# KiCad board jetson-nano-baseboard.kicad_pcb (continued)
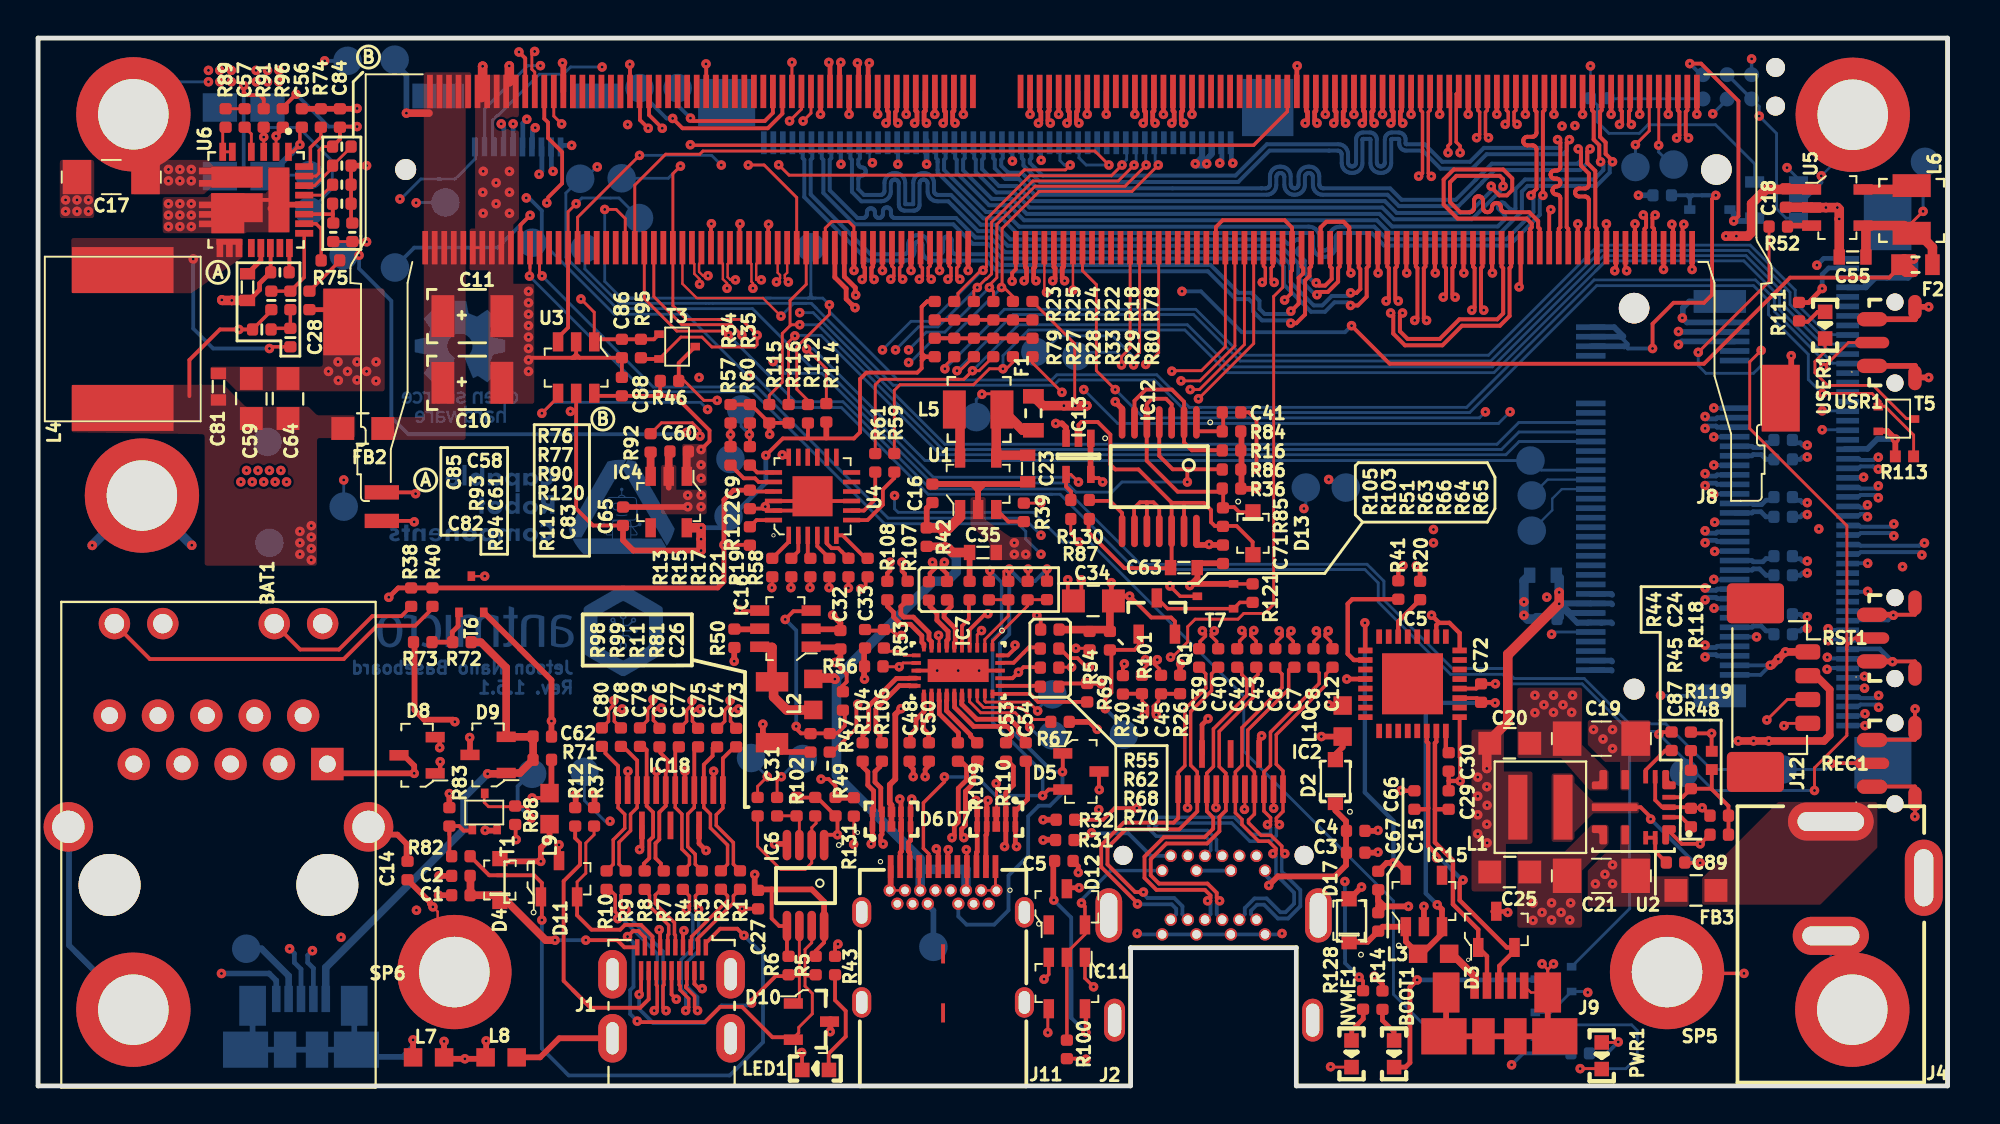
[diagram p0: board, top side]
## Routing (per net, layer and track width the routed paths; a pad name or vN(x,y) marks a point on that pad's centre or on a via; arc(x,y) is an arc through that point) (continued)
/CSI/CSI_C_D0_P: length 55.7
  Top w0.21: v1(75.26,40.72) 75.4,40.86 75.4,42.93 75.32,43.01 75.32,44
  In5_3V3_SYS_SIGNAL.Cu w0.128: v1(75.26,40.72) 75.44,40.9 75.44,41.18 75.67,41.41 76.33,41.41 77.07,40.68 77.07,36.78 78.75,35.1 78.75,31.84 78.74,31.76 78.72,31.69 78.67,31.62 78.62,31.56 78.55,31.52 78.47,31.49 78.39,31.48 77.82,31.48 77.79,31.48 77.77,31.47 77.74,31.46 77.72,31.44 77.71,31.41 77.7,31.39 77.69,31.36 77.7,31.33 77.71,31.3 77.72,31.28 77.74,31.26 77.77,31.24 77.79,31.23 77.82,31.23 79.05,31.23 79.13,31.22 79.21,31.19 79.28,31.15 79.33,31.09 79.38,31.03 79.4,30.95 79.41,30.87 79.41,30.83 79.4,30.75 79.38,30.67 79.33,30.6 79.28,30.55 79.21,30.5 79.13,30.48 79.05,30.47 77.82,30.47 77.79,30.46 77.77,30.45 77.74,30.44 77.72,30.42 77.71,30.39 77.7,30.37 77.69,30.34 77.7,30.31 77.71,30.28 77.72,30.26 77.74,30.24 77.77,30.22 77.79,30.21 77.82,30.21 79.05,30.21 79.13,30.2 79.21,30.18 79.28,30.13 79.33,30.08 79.38,30.01 79.4,29.93 79.41,29.85 79.41,29.81 79.4,29.73 79.38,29.65 79.33,29.58 79.28,29.53 79.21,29.48 79.13,29.46 79.05,29.45 77.82,29.45 77.79,29.45 77.77,29.44 77.74,29.42 77.72,29.4 77.71,29.38 77.7,29.35 77.69,29.32 77.7,29.29 77.71,29.27 77.72,29.24 77.74,29.22 77.77,29.21 77.79,29.2 77.82,29.19 79.05,29.19 79.13,29.18 79.21,29.16 79.28,29.11 79.33,29.06 79.38,28.99 79.4,28.91 79.41,28.83 79.41,28.79 79.4,28.71 79.38,28.63 79.33,28.57 79.28,28.51 79.21,28.47 79.13,28.44 79.05,28.43 77.82,28.43 77.79,28.43 77.77,28.42 77.74,28.4 77.72,28.38 77.71,28.36 77.7,28.33 77.69,28.3 77.7,28.27 77.71,28.25 77.72,28.22 77.74,28.2 77.77,28.19 77.79,28.18 77.82,28.17 79.05,28.17 79.13,28.17 79.21,28.14 79.28,28.1 79.33,28.04 79.38,27.97 79.4,27.9 79.41,27.82 79.41,27.77 79.4,27.69 79.38,27.62 79.33,27.55 79.28,27.49 79.21,27.45 79.13,27.42 79.05,27.41 77.82,27.41 77.79,27.41 77.77,27.4 77.74,27.38 77.72,27.36 77.71,27.34 77.7,27.31 77.69,27.28 77.7,27.26 77.71,27.23 77.72,27.2 77.74,27.18 77.77,27.17 77.79,27.16 77.82,27.16 79.45,27.16 79.53,27.15 79.61,27.12 79.68,27.08 79.73,27.02 79.78,26.95 79.8,26.88 79.81,26.8 79.81,26.75 79.8,26.67 79.78,26.6 79.73,26.53 79.68,26.47 79.61,26.43 79.53,26.4 79.45,26.39 78.88,26.39 78.85,26.39 78.83,26.38 78.8,26.37 78.78,26.35 78.77,26.32 78.76,26.3 78.75,26.27 78.75,25.46 80.29,23.93 84.56,23.93 86.97,21.52 91.24,21.52 92.04,22.31 93.73,22.31 v1(93.92,22.5)
  Bottom w0.21: 94.84,22.44 93.98,22.44 v1(93.92,22.5)
/CSI/CSI_C_D1_N: length 55.7
  Top w0.21: 72.88,40.15 72.74,40.29 72.74,42.93 72.82,43.01 72.82,44
  In5_3V3_SYS_SIGNAL.Cu w0.128: 72.88,40.15 72.7,40.33 72.7,40.4 72.89,40.59 74.09,40.59 76.06,38.62 76.06,36.4 76.43,36.03 76.43,34.8 76.43,34.77 76.42,34.73 76.4,34.71 76.38,34.68 76.35,34.67 76.32,34.65 76.28,34.65 76,34.65 75.92,34.64 75.84,34.61 75.77,34.57 75.71,34.51 75.66,34.44 75.63,34.36 75.62,34.27 75.62,34.23 75.63,34.14 75.66,34.06 75.71,33.99 75.77,33.93 75.84,33.88 75.92,33.86 76,33.85 76.28,33.85 76.32,33.84 76.35,33.83 76.38,33.81 76.4,33.79 76.42,33.76 76.43,33.73 76.43,33.7 76.43,33.67 76.42,33.63 76.4,33.61 76.38,33.58 76.35,33.57 76.32,33.55 76.28,33.55 76,33.55 75.92,33.54 75.84,33.51 75.77,33.47 75.71,33.41 75.66,33.34 75.63,33.26 75.62,33.17 75.62,33.13 75.63,33.04 75.66,32.96 75.71,32.89 75.77,32.83 75.84,32.78 75.92,32.76 76,32.75 76.28,32.75 76.32,32.74 76.35,32.73 76.38,32.71 76.4,32.69 76.42,32.66 76.43,32.63 76.43,32.6 76.43,32.57 76.42,32.53 76.4,32.51 76.38,32.48 76.35,32.47 76.32,32.45 76.28,32.45 76,32.45 75.92,32.44 75.84,32.41 75.77,32.37 75.71,32.31 75.66,32.24 75.63,32.16 75.62,32.07 75.62,32.03 75.63,31.94 75.66,31.86 75.71,31.79 75.77,31.73 75.84,31.68 75.92,31.66 76,31.65 76.28,31.65 76.32,31.64 76.35,31.63 76.38,31.61 76.4,31.59 76.42,31.56 76.43,31.53 76.43,31.5 76.43,31.47 76.42,31.43 76.4,31.41 76.38,31.38 76.35,31.37 76.32,31.35 76.28,31.35 76,31.35 75.92,31.34 75.84,31.31 75.77,31.27 75.71,31.21 75.66,31.14 75.63,31.06 75.62,30.97 75.62,30.93 75.63,30.84 75.66,30.76 75.71,30.69 75.77,30.63 75.84,30.58 75.92,30.56 76,30.55 76.28,30.55 76.32,30.54 76.35,30.53 76.38,30.51 76.4,30.49 76.42,30.46 76.43,30.43 76.43,30.4 76.43,30.37 76.42,30.33 76.4,30.31 76.38,30.28 76.35,30.27 76.32,30.25 76.28,30.25 76,30.25 75.92,30.24 75.84,30.21 75.77,30.17 75.71,30.11 75.66,30.04 75.63,29.96 75.62,29.87 75.62,29.83 75.63,29.74 75.66,29.66 75.71,29.59 75.77,29.53 75.84,29.48 75.92,29.46 76,29.45 76.28,29.45 76.32,29.44 76.35,29.43 76.38,29.41 76.4,29.39 76.42,29.36 76.43,29.33 76.43,29.3 76.43,29.27 76.42,29.23 76.4,29.21 76.38,29.18 76.35,29.17 76.32,29.15 76.28,29.15 76,29.15 75.92,29.14 75.84,29.11 75.77,29.07 75.71,29.01 75.66,28.94 75.63,28.86 75.62,28.77 75.62,28.73 75.63,28.64 75.66,28.56 75.71,28.49 75.77,28.43 75.84,28.38 75.92,28.36 76,28.35 76.28,28.35 76.32,28.34 76.35,28.33 76.38,28.31 76.4,28.29 76.42,28.26 76.43,28.23 76.43,28.2 76.43,28.17 76.42,28.13 76.4,28.11 76.38,28.08 76.35,28.07 76.32,28.05 76.28,28.05 76,28.05 75.92,28.04 75.84,28.01 75.77,27.97 75.71,27.91 75.66,27.84 75.63,27.76 75.62,27.67 75.62,27.63 75.63,27.54 75.66,27.46 75.71,27.39 75.77,27.33 75.84,27.28 75.92,27.26 76,27.25 76.28,27.25 76.32,27.24 76.35,27.23 76.38,27.21 76.4,27.19 76.42,27.16 76.43,27.13 76.43,27.1 76.43,27.07 76.42,27.03 76.4,27.01 76.38,26.98 76.35,26.97 76.32,26.95 76.28,26.95 76,26.95 75.92,26.94 75.84,26.91 75.77,26.87 75.71,26.81 75.66,26.74 75.63,26.66 75.62,26.57 75.62,26.53 75.63,26.44 75.66,26.36 75.71,26.29 75.77,26.23 75.84,26.18 75.92,26.16 76,26.15 76.28,26.15 76.32,26.14 76.35,26.13 76.38,26.11 76.4,26.09 76.42,26.06 76.43,26.03 76.43,26 76.43,25.97 76.42,25.93 76.4,25.91 76.38,25.88 76.35,25.87 76.32,25.85 76.28,25.85 76,25.85 75.92,25.84 75.84,25.81 75.77,25.77 75.71,25.71 75.66,25.64 75.63,25.56 75.62,25.47 75.62,25.43 75.63,25.34 75.66,25.26 75.71,25.19 75.77,25.13 75.84,25.08 75.92,25.06 76,25.05 76.28,25.05 76.32,25.04 76.35,25.03 76.38,25.01 76.4,24.99 76.42,24.96 76.43,24.93 76.43,24.9 76.43,24.79 78.31,22.92 84.41,22.92 86.57,20.76 91.9,20.76 92.2,21.06 94.67,21.06 94.71,21.05 94.74,21.04 94.77,21.03 94.79,21 94.81,20.97 94.82,20.94 94.82,20.91 94.82,20.87 94.83,20.84 94.84,20.81 94.86,20.78 94.88,20.75 94.91,20.74 94.94,20.73 94.97,20.72 95.01,20.73 95.04,20.74 95.07,20.75 95.09,20.78 95.11,20.81 95.12,20.84 95.12,20.87 95.12,20.91 95.13,20.94 95.14,20.97 95.16,21 95.18,21.03 95.21,21.04 95.24,21.05 95.27,21.06 95.64,21.06 95.83,20.87
  Bottom w0.21: 95.83,20.87 95.77,20.94 94.84,20.94
  vias: v1(72.88,40.18) v1(95.87,20.87)
/CSI/CSI_C_D1_P: length 55.7
  Top w0.21: 72.26,40.15 72.4,40.29 72.4,42.93 72.32,43.01 72.32,44
  In5_3V3_SYS_SIGNAL.Cu w0.128: 72.26,40.15 72.44,40.33 72.44,40.51 72.78,40.85 74.19,40.85 76.31,38.72 76.31,36.51 76.69,36.13 76.69,34.78 76.68,34.69 76.65,34.61 76.6,34.54 76.54,34.48 76.47,34.43 76.39,34.41 76.31,34.4 76.02,34.4 75.99,34.39 75.96,34.38 75.93,34.36 75.91,34.34 75.89,34.31 75.88,34.28 75.88,34.25 75.88,34.22 75.89,34.18 75.91,34.16 75.93,34.13 75.96,34.12 75.99,34.1 76.02,34.1 76.31,34.1 76.39,34.09 76.47,34.06 76.54,34.02 76.6,33.96 76.65,33.89 76.68,33.81 76.69,33.72 76.69,33.68 76.68,33.59 76.65,33.51 76.6,33.44 76.54,33.38 76.47,33.33 76.39,33.31 76.31,33.3 76.02,33.3 75.99,33.29 75.96,33.28 75.93,33.26 75.91,33.24 75.89,33.21 75.88,33.18 75.88,33.15 75.88,33.12 75.89,33.08 75.91,33.06 75.93,33.03 75.96,33.02 75.99,33 76.02,33 76.31,33 76.39,32.99 76.47,32.96 76.54,32.92 76.6,32.86 76.65,32.79 76.68,32.71 76.69,32.62 76.69,32.58 76.68,32.49 76.65,32.41 76.6,32.34 76.54,32.28 76.47,32.23 76.39,32.21 76.31,32.2 76.02,32.2 75.99,32.19 75.96,32.18 75.93,32.16 75.91,32.14 75.89,32.11 75.88,32.08 75.88,32.05 75.88,32.02 75.89,31.98 75.91,31.96 75.93,31.93 75.96,31.92 75.99,31.9 76.02,31.9 76.31,31.9 76.39,31.89 76.47,31.86 76.54,31.82 76.6,31.76 76.65,31.69 76.68,31.61 76.69,31.52 76.69,31.48 76.68,31.39 76.65,31.31 76.6,31.24 76.54,31.18 76.47,31.13 76.39,31.11 76.31,31.1 76.02,31.1 75.99,31.09 75.96,31.08 75.93,31.06 75.91,31.04 75.89,31.01 75.88,30.98 75.88,30.95 75.88,30.92 75.89,30.88 75.91,30.86 75.93,30.83 75.96,30.82 75.99,30.8 76.02,30.8 76.31,30.8 76.39,30.79 76.47,30.76 76.54,30.72 76.6,30.66 76.65,30.59 76.68,30.51 76.69,30.42 76.69,30.38 76.68,30.29 76.65,30.21 76.6,30.14 76.54,30.08 76.47,30.03 76.39,30.01 76.31,30 76.02,30 75.99,29.99 75.96,29.98 75.93,29.96 75.91,29.94 75.89,29.91 75.88,29.88 75.88,29.85 75.88,29.82 75.89,29.78 75.91,29.76 75.93,29.73 75.96,29.72 75.99,29.7 76.02,29.7 76.31,29.7 76.39,29.69 76.47,29.66 76.54,29.62 76.6,29.56 76.65,29.49 76.68,29.41 76.69,29.32 76.69,29.28 76.68,29.19 76.65,29.11 76.6,29.04 76.54,28.98 76.47,28.93 76.39,28.91 76.31,28.9 76.02,28.9 75.99,28.89 75.96,28.88 75.93,28.86 75.91,28.84 75.89,28.81 75.88,28.78 75.88,28.75 75.88,28.72 75.89,28.68 75.91,28.66 75.93,28.63 75.96,28.62 75.99,28.6 76.02,28.6 76.31,28.6 76.39,28.59 76.47,28.56 76.54,28.52 76.6,28.46 76.65,28.39 76.68,28.31 76.69,28.22 76.69,28.18 76.68,28.09 76.65,28.01 76.6,27.94 76.54,27.88 76.47,27.83 76.39,27.81 76.31,27.8 76.02,27.8 75.99,27.79 75.96,27.78 75.93,27.76 75.91,27.74 75.89,27.71 75.88,27.68 75.88,27.65 75.88,27.62 75.89,27.58 75.91,27.56 75.93,27.53 75.96,27.52 75.99,27.5 76.02,27.5 76.31,27.5 76.39,27.49 76.47,27.46 76.54,27.42 76.6,27.36 76.65,27.29 76.68,27.21 76.69,27.12 76.69,27.08 76.68,26.99 76.65,26.91 76.6,26.84 76.54,26.78 76.47,26.73 76.39,26.71 76.31,26.7 76.02,26.7 75.99,26.69 75.96,26.68 75.93,26.66 75.91,26.64 75.89,26.61 75.88,26.58 75.88,26.55 75.88,26.52 75.89,26.48 75.91,26.46 75.93,26.43 75.96,26.42 75.99,26.4 76.02,26.4 76.31,26.4 76.39,26.39 76.47,26.36 76.54,26.32 76.6,26.26 76.65,26.19 76.68,26.11 76.69,26.02 76.69,25.98 76.68,25.89 76.65,25.81 76.6,25.74 76.54,25.68 76.47,25.63 76.39,25.61 76.31,25.6 76.02,25.6 75.99,25.59 75.96,25.58 75.93,25.56 75.91,25.54 75.89,25.51 75.88,25.48 75.88,25.45 75.88,25.42 75.89,25.38 75.91,25.36 75.93,25.33 75.96,25.32 75.99,25.3 76.02,25.3 76.31,25.3 76.39,25.29 76.47,25.26 76.54,25.22 76.6,25.16 76.65,25.09 76.68,25.01 76.69,24.92 76.69,24.9 78.42,23.17 84.52,23.17 86.68,21.01 91.79,21.01 92.1,21.31 95.64,21.31 95.83,21.5
  Bottom w0.21: 94.84,21.44 95.77,21.44 95.83,21.5
  vias: v1(72.26,40.18) v1(95.87,21.5)
/CSI/CSI_D_D0_N: length 55.7
  Top w0.21: v1(70.99,40.57) 71.13,40.43 71.13,39.49 71.75,38.87 73.71,38.87 74.74,39.9 76.73,39.9 77.24,40.41 77.24,42.93 77.32,43.01 77.32,44
  In5_3V3_SYS_SIGNAL.Cu w0.128: v1(70.99,40.57) 71.17,40.4 71.17,39.32 71.76,38.73 73.6,38.73 75.07,37.26 75.07,24.83 77.68,22.22 84.31,22.22 86.27,20.25 94.52,20.25 94.71,20.06 96.42,20.06 v1(96.61,19.87)
  Bottom w0.21: 94.84,19.94 95.57,19.94 95.66,20.02 96.46,20.02 v1(96.61,19.87)
/CSI/CSI_D_D0_P: length 55.6
  Top w0.21: v1(71.62,40.57) 71.48,40.43 71.48,39.61 71.88,39.21 73.57,39.21 74.6,40.24 76.59,40.24 76.9,40.55 76.9,42.93 76.82,43.01 76.82,44
  In5_3V3_SYS_SIGNAL.Cu w0.128: v1(96.61,20.5) 96.42,20.31 94.82,20.31 94.63,20.5 94.49,20.5 94.46,20.51 94.42,20.52 94.4,20.54 94.37,20.56 94.35,20.59 94.34,20.62 94.34,20.69 94.33,20.72 94.31,20.75 94.28,20.77 94.26,20.79 94.22,20.8 94.19,20.8 94.16,20.8 94.12,20.79 94.1,20.77 94.07,20.75 94.05,20.72 94.04,20.69 94.04,20.62 94.03,20.59 94.01,20.56 93.98,20.54 93.96,20.52 93.92,20.51 93.89,20.5 93.86,20.51 93.82,20.52 93.8,20.54 93.77,20.56 93.75,20.59 93.74,20.62 93.74,20.69 93.73,20.72 93.71,20.75 93.68,20.77 93.66,20.79 93.62,20.8 93.59,20.8 93.56,20.8 93.52,20.79 93.5,20.77 93.47,20.75 93.45,20.72 93.44,20.69 93.44,20.62 93.43,20.59 93.41,20.56 93.38,20.54 93.36,20.52 93.32,20.51 93.29,20.5 93.26,20.51 93.22,20.52 93.2,20.54 93.17,20.56 93.15,20.59 93.14,20.62 93.14,20.69 93.13,20.72 93.11,20.75 93.08,20.77 93.06,20.79 93.02,20.8 92.99,20.8 92.96,20.8 92.92,20.79 92.9,20.77 92.87,20.75 92.85,20.72 92.84,20.69 92.84,20.62 92.83,20.59 92.81,20.56 92.78,20.54 92.76,20.52 92.72,20.51 92.69,20.5 92.66,20.51 92.62,20.52 92.6,20.54 92.57,20.56 92.55,20.59 92.54,20.62 92.54,20.69 92.53,20.72 92.51,20.75 92.48,20.77 92.46,20.79 92.42,20.8 92.39,20.8 92.36,20.8 92.32,20.79 92.3,20.77 92.27,20.75 92.25,20.72 92.24,20.69 92.24,20.62 92.23,20.59 92.21,20.56 92.18,20.54 92.16,20.52 92.12,20.51 92.09,20.5 86.38,20.5 84.41,22.47 77.79,22.47 75.32,24.93 75.32,37.36 73.7,38.98 71.86,38.98 71.42,39.42 71.42,40.37 v1(71.62,40.57)
  Bottom w0.21: 94.84,20.44 95.57,20.44 95.66,20.35 96.46,20.35 v1(96.61,20.5)
/CSI/CSI_D_D1_N: length 55.3
  Top w0.21: 71.24,41.29 71.24,42.93 71.32,43.01 71.32,44
  In5_3V3_SYS_SIGNAL.Cu w0.128: 95.86,18.91 95.69,19.08 94.23,19.08 93.63,19.68 82.84,19.68 81.18,21.34 77.06,21.34 73.92,24.48 73.92,25.06 73.92,25.09 73.91,25.11 73.89,25.14 73.87,25.16 73.85,25.17 73.82,25.18 73.8,25.18 73.65,25.18 73.57,25.19 73.49,25.22 73.43,25.26 73.37,25.32 73.33,25.38 73.3,25.46 73.29,25.54 73.29,25.59 73.3,25.67 73.33,25.74 73.37,25.81 73.43,25.87 73.49,25.91 73.57,25.94 73.65,25.94 74.42,25.94 74.45,25.95 74.48,25.96 74.5,25.97 74.52,25.99 74.53,26.01 74.54,26.04 74.55,26.07 74.55,26.08 74.54,26.1 74.53,26.13 74.52,26.15 74.5,26.17 74.48,26.19 74.45,26.2 74.42,26.2 73.68,26.2 73.6,26.21 73.53,26.23 73.47,26.27 73.42,26.33 73.38,26.39 73.35,26.46 73.34,26.53 73.34,26.63 73.35,26.71 73.38,26.78 73.42,26.84 73.47,26.89 73.53,26.93 73.6,26.95 73.68,26.96 74.42,26.96 74.45,26.97 74.48,26.97 74.5,26.99 74.52,27.01 74.53,27.03 74.54,27.06 74.55,27.09 74.55,27.1 74.54,27.12 74.53,27.15 74.52,27.17 74.5,27.19 74.48,27.21 74.45,27.22 74.42,27.22 73.65,27.22 73.57,27.23 73.49,27.25 73.43,27.3 73.37,27.35 73.33,27.42 73.3,27.49 73.29,27.57 73.29,27.63 73.3,27.7 73.33,27.78 73.37,27.85 73.43,27.9 73.49,27.95 73.57,27.97 73.65,27.98 73.8,27.98 73.82,27.98 73.85,27.99 73.87,28.01 73.89,28.03 73.91,28.05 73.92,28.08 73.92,28.1 73.92,37.49 73.19,38.22 71.21,38.22 70.98,38.45 69.95,39.48 69.95,41.72 70.25,42.02 71.05,42.02 71.2,41.87 71.2,41.39 v1(71.4,41.2)
  Bottom w0.21: 94.84,18.94 95.84,18.94 95.94,18.84
  vias: v1(95.89,18.91)
/CSI/CSI_D_D1_P: length 55.3
  Top w0.21: v1(70.76,41.2) 70.9,41.34 70.9,42.93 70.82,43.01 M1.66
  In5_3V3_SYS_SIGNAL.Cu w0.128: 95.86,19.54 95.66,19.34 95.37,19.34 95.34,19.34 95.32,19.35 95.29,19.36 95.27,19.39 95.26,19.41 95.25,19.44 95.24,19.46 95.24,19.57 95.24,19.6 95.23,19.63 95.21,19.65 95.19,19.67 95.17,19.69 95.14,19.7 95.11,19.7 95.09,19.7 95.06,19.69 95.04,19.67 95.01,19.65 95,19.63 94.99,19.6 94.99,19.57 94.99,19.46 94.98,19.44 94.97,19.41 94.96,19.39 94.94,19.36 94.91,19.35 94.89,19.34 94.86,19.34 94.33,19.34 94.31,19.36 94.3,19.39 94.29,19.41 94.29,19.44 94.3,19.47 94.31,19.5 94.33,19.52 94.48,19.66 94.49,19.69 94.51,19.71 94.51,19.74 94.51,19.77 94.51,19.8 94.49,19.82 94.48,19.85 94.45,19.86 94.43,19.88 94.4,19.88 94.37,19.88 94.34,19.88 94.32,19.86 94.3,19.85 94.15,19.7 94.13,19.68 94.1,19.67 94.07,19.66 94.04,19.66 94.02,19.67 93.99,19.68 93.97,19.7 93.74,19.93 82.95,19.93 81.28,21.6 77.16,21.6 74.17,24.59 74.17,25.08 74.16,25.16 74.14,25.23 74.1,25.3 74.04,25.36 73.97,25.4 73.9,25.43 73.82,25.44 73.67,25.44 73.64,25.44 73.62,25.45 73.59,25.46 73.57,25.48 73.56,25.51 73.55,25.53 73.55,25.56 73.55,25.57 73.55,25.6 73.56,25.62 73.57,25.65 73.59,25.66 73.62,25.68 73.64,25.69 73.67,25.69 74.45,25.69 74.52,25.7 74.6,25.73 74.67,25.77 74.72,25.83 74.76,25.89 74.79,25.97 74.8,26.05 74.8,26.1 74.79,26.18 74.76,26.25 74.72,26.32 74.67,26.38 74.6,26.42 74.52,26.44 74.45,26.45 73.7,26.45 73.67,26.46 73.65,26.46 73.63,26.47 73.62,26.49 73.61,26.51 73.6,26.53 73.6,26.55 73.6,26.61 73.6,26.63 73.61,26.65 73.62,26.67 73.63,26.69 73.65,26.7 73.67,26.71 73.7,26.71 74.45,26.71 74.52,26.72 74.6,26.74 74.67,26.79 74.72,26.84 74.76,26.91 74.79,26.99 74.8,27.06 74.8,27.12 74.79,27.2 74.76,27.27 74.72,27.34 74.67,27.39 74.6,27.44 74.52,27.46 74.45,27.47 73.67,27.47 73.64,27.47 73.62,27.48 73.59,27.5 73.57,27.52 73.56,27.54 73.55,27.57 73.55,27.6 73.55,27.6 73.55,27.63 73.56,27.66 73.57,27.68 73.59,27.7 73.62,27.72 73.64,27.72 73.67,27.73 73.82,27.73 73.9,27.74 73.97,27.76 74.04,27.8 74.1,27.86 74.14,27.93 74.16,28 74.17,28.08 74.17,37.6 73.29,38.48 71.31,38.48 70.2,39.59 70.2,41.62 70.35,41.77 70.95,41.77 70.95,41.39 v1(70.76,41.2)
  Bottom w0.21: 94.84,19.44 95.8,19.44 95.86,19.5
  vias: v1(95.89,19.54)
/CSI/CSI_E_CLK_N: length 43.8
  Top w0.21: M1.28 80.32,44.99 80.24,45.07 80.24,49.53 v1(80.38,49.67)
  Bottom w0.21: 51.64,49.42 51.64,48.7 51.72,48.62 51.72,48.32 52.59,47.45 62.99,47.45 64.64,49.09 68.21,49.09 68.26,49.09 68.31,49.07 68.34,49.05 68.38,49.01 68.4,48.97 68.42,48.93 68.42,48.88 68.42,48.44 68.44,48.33 68.47,48.22 68.54,48.12 68.62,48.04 68.71,47.98 68.82,47.94 68.94,47.93 69,47.93 69.11,47.94 69.22,47.98 69.32,48.04 69.4,48.12 69.46,48.22 69.5,48.33 69.51,48.44 69.51,49.65 69.52,49.67 69.52,49.68 69.53,49.69 69.54,49.7 69.55,49.71 69.56,49.71 69.57,49.71 69.88,49.71 69.89,49.71 69.9,49.71 69.91,49.7 69.92,49.69 69.93,49.68 69.93,49.67 69.93,49.65 69.93,48.44 69.95,48.33 69.98,48.22 70.05,48.12 70.13,48.04 70.22,47.98 70.33,47.94 70.45,47.93 70.51,47.93 70.62,47.94 70.73,47.98 70.83,48.04 70.91,48.12 70.97,48.22 71.01,48.33 71.02,48.44 71.02,49.65 71.03,49.67 71.03,49.68 71.04,49.69 71.05,49.7 71.06,49.71 71.07,49.71 71.08,49.71 71.39,49.71 71.4,49.71 71.41,49.71 71.42,49.7 71.43,49.69 71.44,49.68 71.44,49.67 71.44,49.65 71.44,49.46 71.45,49.38 71.48,49.3 71.52,49.23 71.58,49.17 71.65,49.13 71.73,49.1 71.81,49.09 72.67,49.09 73.62,48.15 75.27,48.15 76.03,48.91 80.04,48.91 80.24,49.1 80.24,49.53 v1(80.38,49.67)
/CSI/CSI_E_CLK_P: length 43.8
  Top w0.21: M1.30 79.82,44.99 79.9,45.07 79.9,46.58 79.9,46.63 79.88,46.67 79.86,46.71 79.82,46.74 79.78,46.77 79.74,46.78 79.65,46.79 79.61,46.81 79.57,46.83 79.53,46.87 79.51,46.91 79.49,46.95 79.49,47 79.49,47 79.49,47.05 79.51,47.09 79.53,47.13 79.57,47.16 79.61,47.19 79.65,47.2 79.74,47.21 79.78,47.23 79.82,47.25 79.86,47.29 79.88,47.33 79.9,47.37 79.9,47.42 79.9,47.46 79.88,47.51 79.86,47.55 79.82,47.58 79.78,47.6 79.74,47.62 79.69,47.63 79.6,47.63 79.55,47.63 79.51,47.65 79.47,47.67 79.43,47.7 79.41,47.74 79.39,47.79 79.39,47.84 79.39,47.88 79.41,47.93 79.43,47.97 79.47,48 79.51,48.02 79.55,48.04 79.6,48.05 79.69,48.05 79.74,48.05 79.78,48.07 79.82,48.09 79.86,48.12 79.88,48.16 79.9,48.21 79.9,48.26 79.9,49.53 v1(79.76,49.67)
  Bottom w0.21: v1(79.76,49.67) 79.9,49.53 79.9,49.24 75.89,49.24 75.16,48.51 73.7,48.51 72.78,49.43 71.84,49.43 71.82,49.43 71.81,49.43 71.8,49.44 71.79,49.45 71.78,49.46 71.78,49.47 71.78,49.49 71.78,49.68 71.77,49.76 71.74,49.84 71.7,49.91 71.64,49.97 71.57,50.01 71.49,50.04 71.41,50.05 71.06,50.05 70.98,50.04 70.9,50.01 70.83,49.97 70.77,49.91 70.73,49.84 70.7,49.76 70.69,49.68 70.69,48.47 70.68,48.42 70.67,48.38 70.64,48.34 70.61,48.31 70.57,48.28 70.53,48.27 70.48,48.26 70.43,48.27 70.39,48.28 70.35,48.31 70.31,48.34 70.29,48.38 70.27,48.42 70.27,48.47 70.27,49.68 70.26,49.76 70.23,49.84 70.19,49.91 70.13,49.97 70.06,50.01 69.98,50.04 69.9,50.05 69.55,50.05 69.47,50.04 69.39,50.01 69.32,49.97 69.26,49.91 69.22,49.84 69.19,49.76 69.18,49.68 69.18,48.47 69.17,48.42 69.16,48.38 69.13,48.34 69.1,48.31 69.06,48.28 69.02,48.27 68.97,48.26 68.92,48.27 68.88,48.28 68.84,48.31 68.8,48.34 68.78,48.38 68.76,48.42 68.76,48.47 68.76,48.91 68.75,49.03 68.71,49.14 68.65,49.24 68.57,49.32 68.47,49.38 68.36,49.42 68.25,49.43 64.5,49.43 62.85,47.78 52.72,47.78 52.05,48.45 52.05,48.62 52.14,48.7 52.14,49.42
/CSI/CSI_E_D0_N: length 43.7
  Top w0.21: v1(81.46,49.18) 81.32,49.04 81.32,48.44 81.74,48.03 81.74,45.07 81.82,44.99 M1.22
  Bottom w0.21: 50.14,49.42 50.14,48.7 50.22,48.62 50.22,48.16 50.78,47.6 51.48,47.6 52.31,46.78 64.48,46.78 64.59,46.79 64.7,46.83 64.8,46.89 64.88,46.97 64.94,47.07 64.98,47.18 64.99,47.29 64.99,47.71 65,47.75 65.01,47.8 65.04,47.84 65.07,47.87 65.11,47.9 65.16,47.91 65.2,47.92 65.25,47.91 65.29,47.9 65.33,47.87 65.37,47.84 65.39,47.8 65.41,47.75 65.41,47.71 65.41,47.29 65.43,47.18 65.46,47.07 65.53,46.97 65.61,46.89 65.7,46.83 65.81,46.79 65.93,46.78 65.98,46.78 66.09,46.79 66.2,46.83 66.3,46.89 66.38,46.97 66.44,47.07 66.48,47.18 66.49,47.29 66.49,47.71 66.5,47.75 66.51,47.8 66.54,47.84 66.57,47.87 66.61,47.9 66.66,47.91 66.7,47.92 66.75,47.91 66.79,47.9 66.83,47.87 66.87,47.84 66.89,47.8 66.91,47.75 66.91,47.71 66.91,47.29 66.93,47.18 66.96,47.07 67.03,46.97 67.11,46.89 67.2,46.83 67.31,46.79 67.43,46.78 70.83,46.78 71.43,46.18 74.55,46.18 75.79,47.42 75.79,47.42 76.07,47.7 76.08,47.7 76.45,48.07 80.95,48.07 81.32,48.44 81.32,49.04 v1(81.46,49.18)
/CSI/CSI_E_D0_P: length 43.7
  Top w0.21: v1(80.84,49.18) 80.98,49.04 80.98,48.31 81.4,47.89 81.4,47.32 81.4,47.27 81.38,47.23 81.36,47.19 81.32,47.15 81.28,47.13 81.24,47.11 81.19,47.11 80.88,47.11 80.84,47.1 80.79,47.09 80.75,47.06 80.72,47.03 80.7,46.99 80.68,46.94 80.67,46.9 80.68,46.85 80.7,46.81 80.72,46.77 80.75,46.73 80.79,46.71 80.84,46.69 80.88,46.69 81.19,46.69 81.24,46.68 81.28,46.67 81.32,46.64 81.36,46.61 81.38,46.57 81.4,46.52 81.4,46.48 81.4,45.07 81.32,44.99 M1.24
  Bottom w0.21: v1(80.84,49.18) 80.98,49.04 80.98,48.58 80.81,48.41 76.31,48.41 75.94,48.04 75.93,48.04 75.46,47.56 75.46,47.56 74.41,46.51 71.57,46.51 70.97,47.11 67.46,47.11 67.41,47.12 67.37,47.13 67.33,47.16 67.29,47.19 67.27,47.23 67.25,47.28 67.25,47.32 67.25,47.74 67.24,47.85 67.2,47.96 67.14,48.06 67.06,48.14 66.96,48.2 66.85,48.24 66.74,48.25 66.67,48.25 66.56,48.24 66.45,48.2 66.35,48.14 66.27,48.06 66.21,47.96 66.17,47.85 66.16,47.74 66.16,47.32 66.15,47.28 66.14,47.23 66.11,47.19 66.08,47.16 66.04,47.13 66,47.12 65.95,47.11 65.96,47.11 65.91,47.12 65.87,47.13 65.83,47.16 65.79,47.19 65.77,47.23 65.75,47.28 65.75,47.32 65.75,47.74 65.74,47.85 65.7,47.96 65.64,48.06 65.56,48.14 65.46,48.2 65.35,48.24 65.24,48.25 65.17,48.25 65.06,48.24 64.95,48.2 64.85,48.14 64.77,48.06 64.71,47.96 64.67,47.85 64.66,47.74 64.66,47.32 64.65,47.28 64.64,47.23 64.61,47.19 64.58,47.16 64.54,47.13 64.5,47.12 64.45,47.11 64.21,47.11 52.45,47.11 51.62,47.94 50.92,47.94 50.55,48.3 50.55,48.62 50.64,48.7 50.64,49.42
/CSI/CSI_E_D1_N: length 43.7
  Top w0.21: v1(76.9,47.22) 76.9,47.59 76.72,47.77 74.44,47.77 74.11,47.44 74.11,46.4 74.65,45.86 75.14,45.86 75.19,45.87 75.24,45.88 75.28,45.91 75.32,45.95 75.35,45.99 75.37,46.04 75.37,46.1 75.37,46.46 75.38,46.51 75.4,46.56 75.42,46.61 75.46,46.65 75.51,46.67 75.55,46.69 75.61,46.7 75.66,46.69 75.71,46.67 75.75,46.65 75.79,46.61 75.82,46.56 75.84,46.51 75.84,46.46 75.84,46.1 75.85,46.04 75.87,45.99 75.89,45.95 75.93,45.91 75.98,45.88 76.02,45.87 76.08,45.86 76.13,45.87 76.18,45.88 76.22,45.91 76.26,45.95 76.29,45.99 76.31,46.04 76.31,46.1 76.31,46.11 76.32,46.16 76.34,46.21 76.36,46.26 76.4,46.3 76.45,46.32 76.49,46.34 76.55,46.35 76.6,46.34 76.65,46.32 76.69,46.3 76.73,46.26 76.76,46.21 76.78,46.16 76.78,46.11 76.78,46.1 76.79,46.04 76.81,45.99 76.83,45.95 76.87,45.91 76.92,45.88 76.96,45.87 77.02,45.86 78.27,45.86 78.74,45.4 78.74,45.07 78.82,44.99 78.82,44
  Bottom w0.21: 49.14,49.42 49.14,48.7 49.22,48.62 49.22,47.98 50.3,46.9 51.24,46.9 52.03,46.11 70.55,46.11 71.17,45.49 75.26,45.49 76.75,46.98 76.75,47.08 v1(76.9,47.22) 76.9,47.17
/CSI/CSI_E_D1_P: length 43.8
  Top w0.21: 76.42,47.08 v1(76.27,47.22) 76.27,47.17 76.7,46.74 77.09,46.74 77.38,47.03 77.38,47.63 76.91,48.1 74.31,48.1 73.78,47.57 73.78,46.26 74.51,45.53 78.13,45.53 78.4,45.26 78.4,45.07 78.32,44.99 78.32,44
  Bottom w0.21: 49.64,49.42 49.64,48.7 49.55,48.62 49.55,48.12 50.44,47.23 51.38,47.23 52.17,46.44 70.69,46.44 71.31,45.82 75.12,45.82 76.39,47.1 v1(76.27,47.22)
/CSI/CSI_F_D0_N: length 43.7
  Top w0.21: v1(82.64,48.51) 82.64,48.56 82.28,48.92 82.28,49.52 81.99,49.81 81.99,51.13 82.07,51.21 M1.21
  Bottom w0.21: v1(82.64,48.51) 82.49,48.36 82.49,47.94 81.8,47.24 78.18,47.24 77.88,46.94 77.88,45.9 76.75,44.78 70.94,44.78 70.27,45.44 51.75,45.44 50.96,46.23 49.92,46.23 48.22,47.93 48.22,48.62 48.14,48.7 48.14,49.42
/CSI/CSI_F_D0_P: length 43.7
  Top w0.21: M1.23 81.57,51.21 81.65,51.13 81.65,49.67 81.94,49.38 81.94,48.58 v1(82.01,48.51)
  Bottom w0.21: v1(82.01,48.51) 82.16,48.36 82.16,48.08 81.66,47.58 78.04,47.58 77.55,47.08 77.55,46.04 77.51,46.01 77.47,45.99 77.42,45.98 77.37,45.98 77.33,45.99 77.29,46.01 77.25,46.04 76.98,46.31 76.95,46.34 76.9,46.36 76.86,46.37 76.81,46.37 76.76,46.36 76.72,46.34 76.69,46.31 76.66,46.27 76.64,46.23 76.63,46.18 76.63,46.14 76.64,46.09 76.66,46.05 76.69,46.01 76.95,45.75 76.98,45.71 77,45.67 77.01,45.62 77.01,45.57 77,45.53 76.98,45.49 76.95,45.45 76.62,45.11 71.07,45.11 70.41,45.77 51.89,45.77 51.1,46.56 50.06,46.56 48.55,48.07 48.55,48.62 48.64,48.7 48.64,49.42
/CSI/CSI_F_D1_N: length 43.8
  Top w0.21: v1(78.99,46.74) 78.99,51.13 79.07,51.21 M1.33
  Bottom w0.21: v1(78.99,46.74) 78.99,46.69 78.82,46.53 78.82,45.72 77.21,44.11 70.66,44.11 70,44.77 68.36,44.77 68.31,44.76 68.25,44.74 68.2,44.71 68.16,44.67 68.13,44.62 68.11,44.57 68.11,44.51 68.11,44.08 68.09,43.95 68.05,43.83 67.98,43.73 67.9,43.64 67.79,43.57 67.67,43.53 67.55,43.52 67.48,43.52 67.36,43.53 67.24,43.57 67.13,43.64 67.04,43.73 66.98,43.83 66.94,43.95 66.92,44.08 66.92,44.51 66.91,44.57 66.9,44.62 66.87,44.67 66.82,44.71 66.78,44.74 66.72,44.76 66.66,44.77 51.36,44.77 50.59,45.54 49.62,45.54 47.22,47.94 47.22,48.08 47.21,48.09 47.21,48.49 47.22,48.49 47.22,48.62 47.14,48.7 47.14,49.42
/CSI/CSI_F_D1_P: length 43.8
  Top w0.21: v1(78.36,46.74) 78.51,46.89 78.51,46.94 78.65,47.09 78.65,49.15 78.65,49.2 78.63,49.24 78.6,49.29 78.57,49.32 78.52,49.35 78.48,49.36 78.43,49.37 78.18,49.37 78.13,49.38 78.08,49.39 78.04,49.42 78,49.46 77.97,49.5 77.96,49.55 77.95,49.6 77.96,49.65 77.97,49.69 78,49.74 78.04,49.77 78.08,49.8 78.13,49.81 78.18,49.82 78.43,49.82 78.48,49.83 78.52,49.84 78.57,49.87 78.6,49.91 78.63,49.95 78.65,50 78.65,50.05 78.65,51.13 78.57,51.21 M1.35
  Bottom w0.21: v1(78.36,46.74) 78.49,46.62 78.49,45.86 77.07,44.44 70.8,44.44 70.14,45.1 68.33,45.1 68.21,45.09 68.09,45.05 67.98,44.98 67.89,44.89 67.83,44.79 67.79,44.67 67.77,44.54 67.77,44.11 67.76,44.05 67.75,44 67.72,43.95 67.67,43.91 67.63,43.88 67.57,43.86 67.51,43.85 67.46,43.86 67.4,43.88 67.35,43.91 67.31,43.95 67.28,44 67.26,44.05 67.26,44.11 67.26,44.54 67.24,44.67 67.2,44.79 67.13,44.89 67.05,44.98 66.94,45.05 66.82,45.09 66.7,45.1 51.5,45.1 50.73,45.87 49.76,45.87 47.55,48.08 47.55,48.62 47.64,48.7 47.64,49.42